# Altium PCB microclick-pcb.PcbDoc
Units mm, origin at the board's own origin, x right, y up, seen from the top; angles counter-clockwise.
Board outline 127.76 x 81.53 mm, 2 copper layers (Top Layer, Bottom Layer); 83 components, 67 nets, 350 pads, 95 vias.
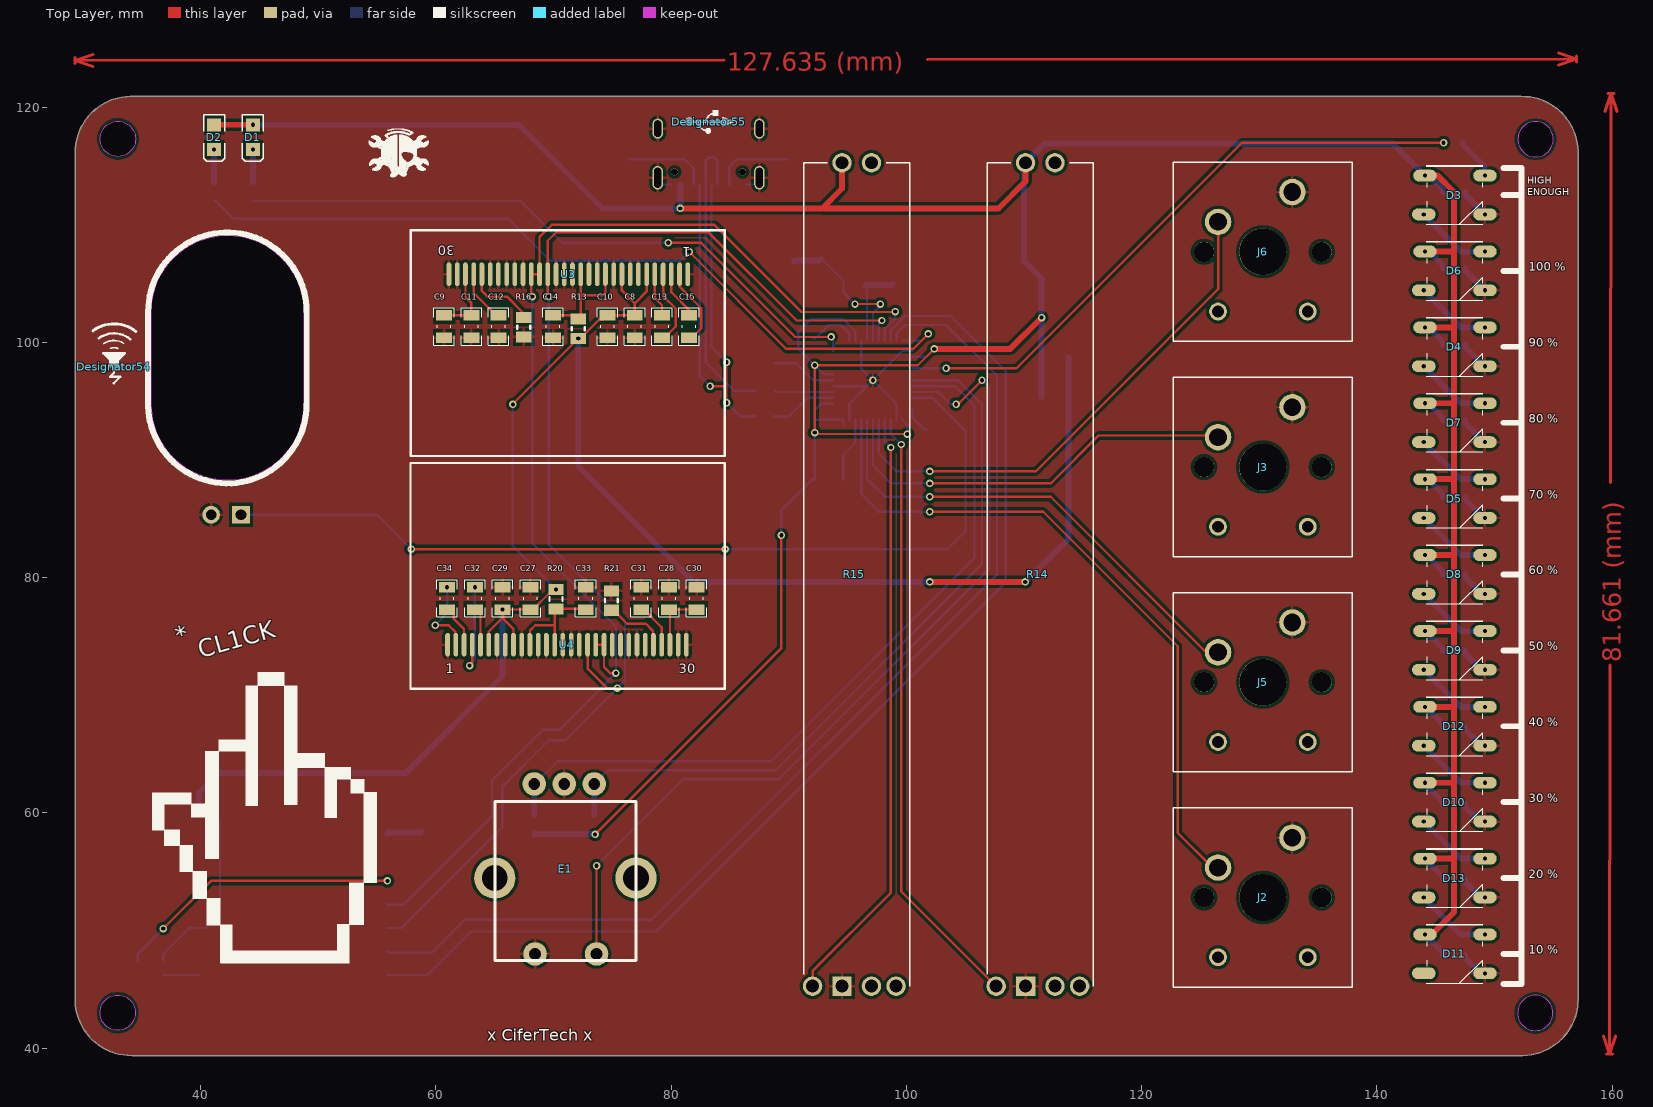
[diagram p0: Top Layer view]
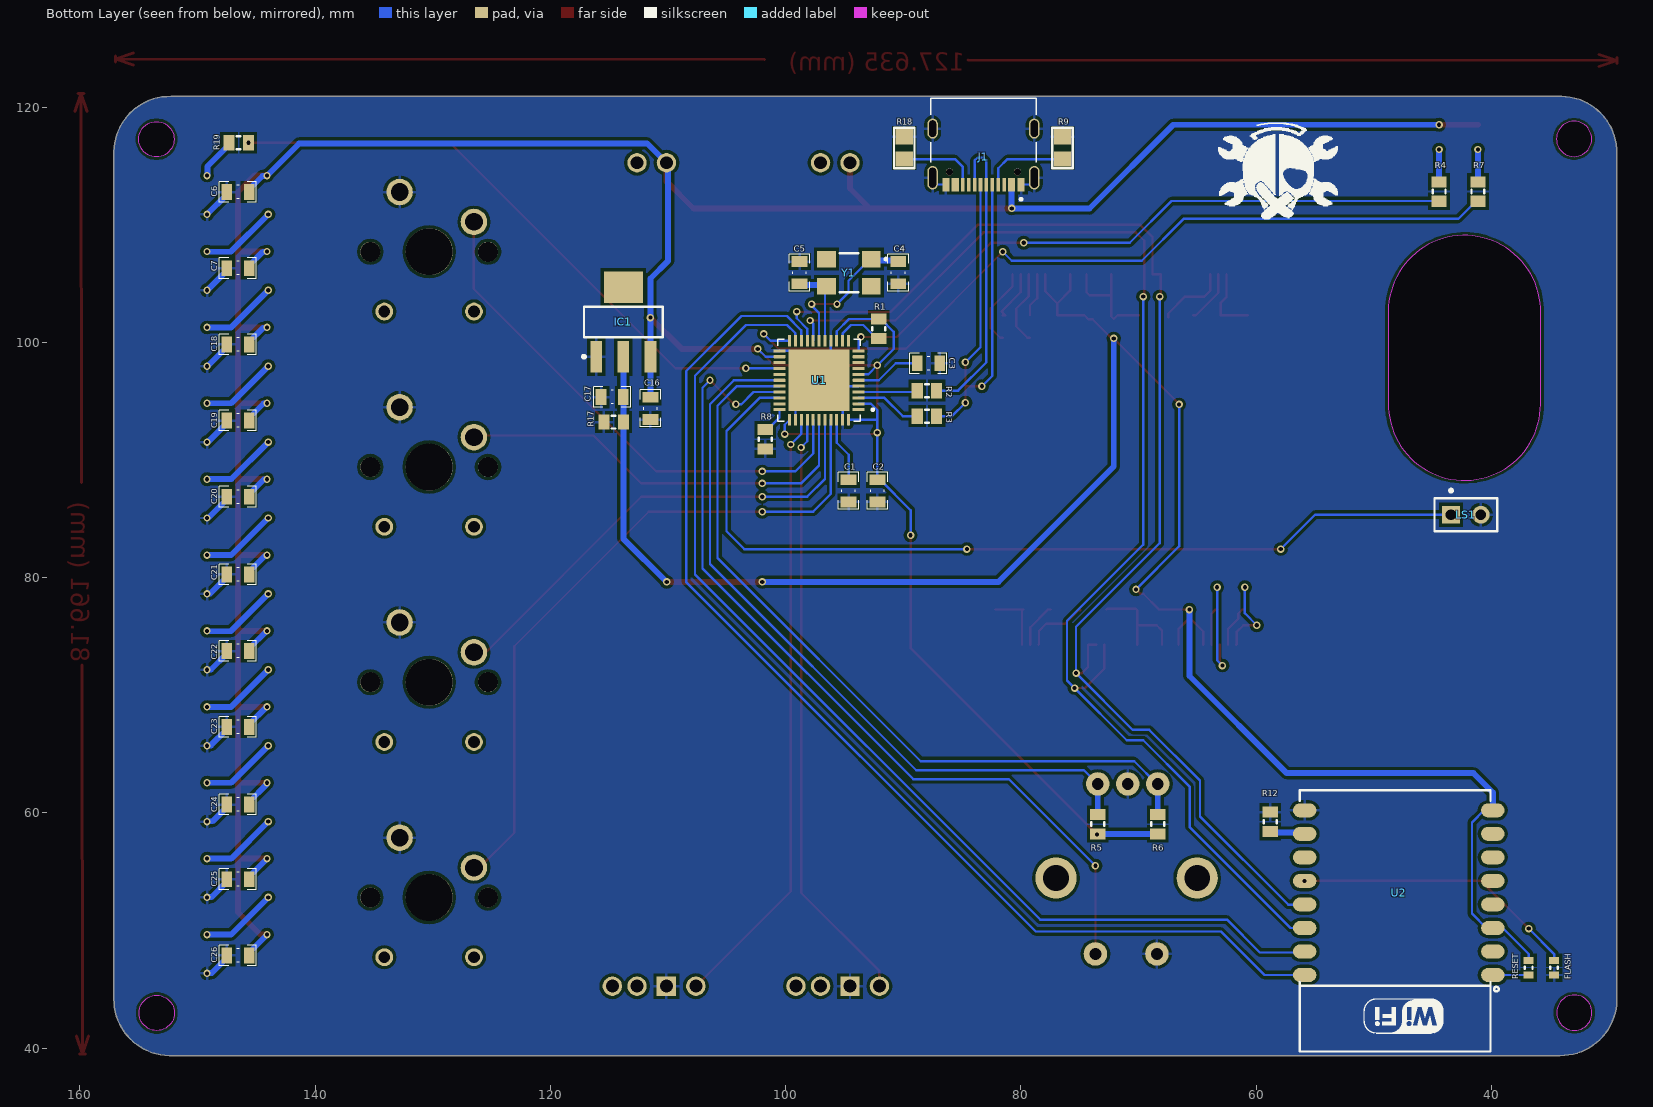
[diagram p1: Bottom Layer view, seen from below]
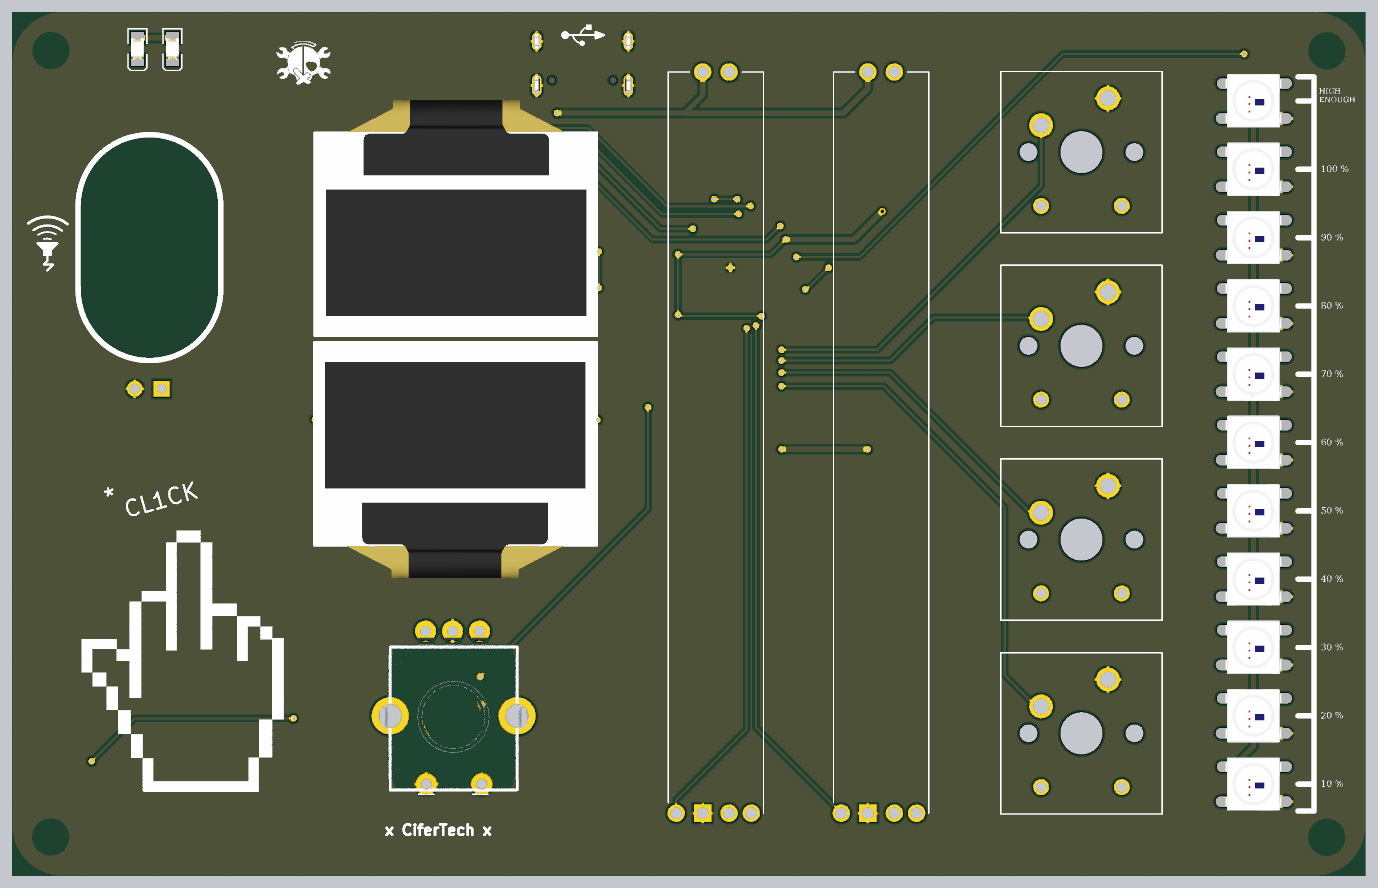
[diagram p2: 3D render of the assembled board from above, using the file's embedded part models]
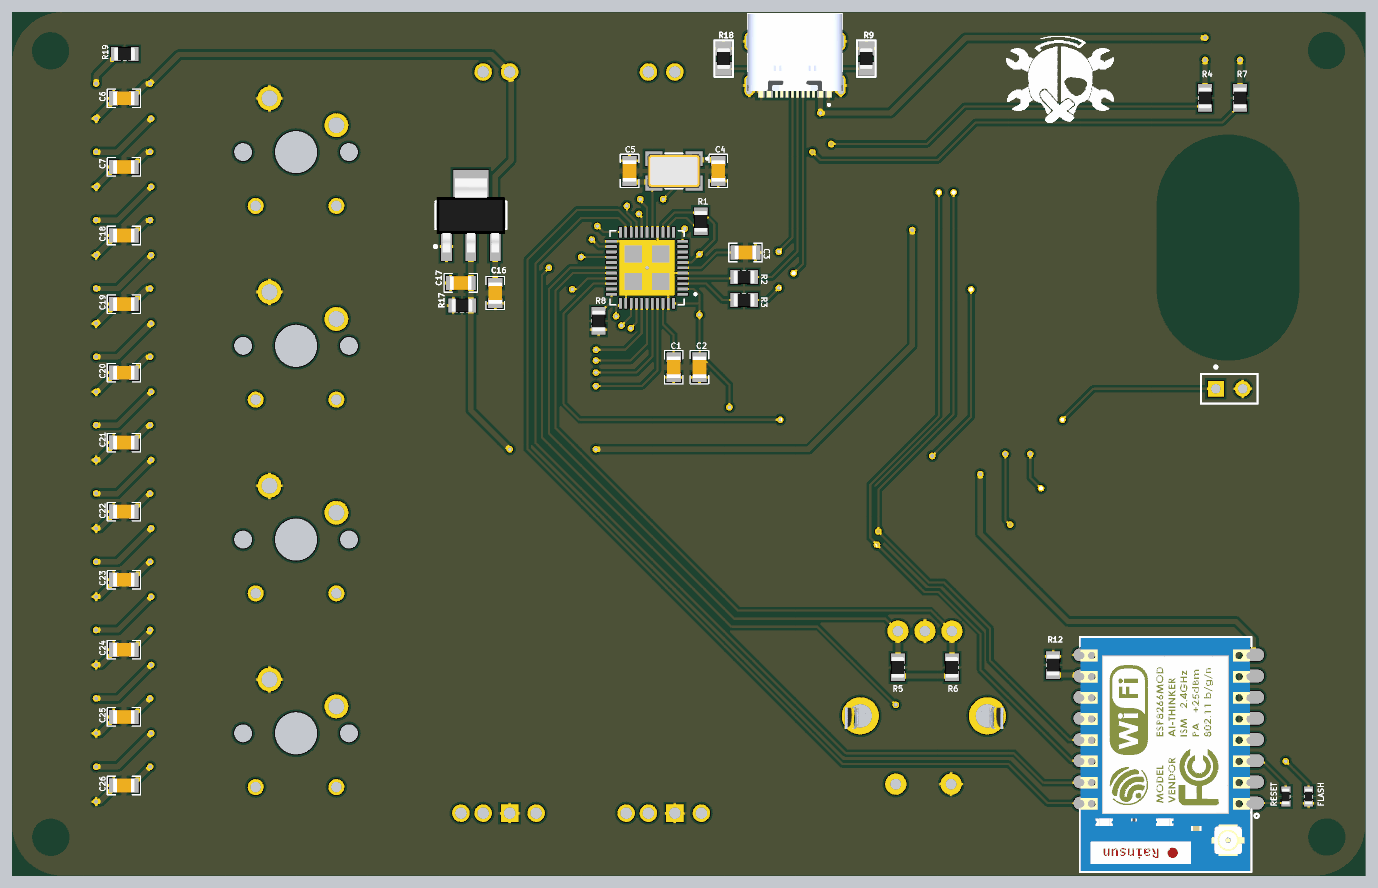
[diagram p3: 3D render of the assembled board from below, using the file's embedded part models]

## Layer stack, top to bottom
Top Solder: solder mask 0.0102, Solder Resist, Dk 3.5
Top Layer: signal copper 0.0356
Dielectric 1: dielectric 0.32, FR-4, Dk 4.8
Bottom Layer: signal copper 0.0356
Bottom Solder: solder mask 0.0102, Solder Resist, Dk 3.5

## Board outline
29.337,44.069 29.337,116.078 cw(c34.099,116.141) 34.036,120.904 152.273,120.904 cw(c152.337,116.141) 157.099,116.205 157.099,44.323 157.099,44.196 cw(c152.337,44.133) 152.4,39.37 34.163,39.37 cw(c34.099,44.133)
cut-out: 35.814,94.744 35.814,102.491 35.815,102.491 cw(c42.291,102.616) 48.768,102.616 48.768,94.869 cw(c42.292,94.744)
cut-out: 151.959,42.986 ccw(c153.459,42.986) 153.459,41.486 ccw(c153.459,42.986) 154.959,42.986 ccw(c153.459,42.986) 153.459,44.486 ccw(c153.459,42.986)
cut-out: 151.983,117.263 ccw(c153.483,117.263) 153.483,115.763 ccw(c153.483,117.263) 154.983,117.263 ccw(c153.483,117.263) 153.483,118.763 ccw(c153.483,117.263)
cut-out: 32.978,115.788 cw(c32.978,117.288) 31.478,117.288 cw(c32.978,117.288) 32.978,118.788 cw(c32.978,117.288) 34.478,117.288 cw(c32.978,117.288)
cut-out: 32.953,41.511 cw(c32.953,43.011) 31.453,43.011 cw(c32.953,43.011) 32.953,44.511 cw(c32.953,43.011) 34.453,43.011 cw(c32.953,43.011)
cut-out: 35.814,94.744 35.814,102.491 35.815,102.491 cw(c42.291,102.616) 48.768,102.616 48.768,94.869 cw(c42.292,94.744)

## Design rules (kind name [scope] priority, off if disabled: settings)
Clearance [All] p1: gap=0.254 ignorepadtopadclearanceinfootprint=FALSE except(0: Arc-Hole Track-Hole SMDPad-Hole THPad-Hole Via-Hole Fill-Hole Poly-Hole Region-Hole Text-Hole)
PolygonConnect [All] p1: connectstyle=Relief reliefconductorwidth=0.254 reliefentries=4 polygonreliefangle="90 Angle" airgapwidth=0.254
RoutingVias [All] p1: holewidth=0.711 width=1.27 viastyle="Through Hole" minholewidth=0.711 minwidth=1.27 maxholewidth=0.711 maxwidth=1.27
SolderMaskExpansion [All] p1: expansion=0.102
Width [All] p1: maxlimit=1 minlimit=0.2 preferedwidth=0.5 minimp=50.000000 maximp=50.000000 favimp=50.000000
30 further rules are at their usual default settings.

## Components (designator, comment, footprint, x,y, rotation, side; value= is the part's Value field where it differs from the comment)
C1 "100nf" CAP0805 94.639,87.376 r90 bottom
C2 "1uf" CAP0805 92.202,87.376 r270 bottom
C3 "1uf" CAP0805 87.859,98.216 r0 bottom
C4 "22pf" CAP0805 90.424,105.918 r90 bottom
C5 "22pf" CAP0805 98.806,105.918 r270 bottom
C6 "100nf" CAP0805 146.558,112.776 r0 bottom
C7 "100nf" CAP0805 146.558,106.299 r0 bottom
C8 "10uf" CAP0805 76.906,101.346 r270 top
C9 "10uf" CAP0805 60.706,101.346 r90 top
C10 "100nf" CAP0805 74.591,101.346 r270 top
C11 "100nf" CAP0805 63.02,101.346 r90 top
C12 "2.2uf" CAP0805 65.334,101.346 r270 top
C13 "1uf" CAP0805 79.22,101.346 r90 top
C14 "2.2uf" CAP0805 69.963,101.346 r270 top
C15 "1uf" CAP0805 81.534,101.346 r90 top
C16 "10uf" CAP0805 111.492,94.387 r90 bottom
C17 "10uf" CAP0805 114.742,95.337 r180 bottom
C18 "100nf" CAP0805 146.558,99.822 r0 bottom
C19 "100nf" CAP0805 146.558,93.345 r0 bottom
C20 "100nf" CAP0805 146.558,86.868 r0 bottom
C21 "100nf" CAP0805 146.558,80.264 r0 bottom
C22 "100nf" CAP0805 146.558,73.745 r0 bottom
C23 "100nf" CAP0805 146.558,67.31 r0 bottom
C24 "100nf" CAP0805 146.558,60.706 r0 bottom
C25 "100nf" CAP0805 146.558,54.356 r0 bottom
C26 "100nf" CAP0805 146.558,47.879 r0 bottom
C27 "10uf" CAP0805 68.03,78.232 r90 top
C28 "10uf" CAP0805 79.812,78.232 r270 top
C29 "100nf" CAP0805 65.673,78.232 r90 top
C30 "100nf" CAP0805 82.169,78.232 r270 top
C31 "2.2uf" CAP0805 77.456,78.232 r90 top
C32 "1uf" CAP0805 63.317,78.232 r270 top
C33 "2.2uf" CAP0805 72.743,78.232 r90 top
C34 "1uf" CAP0805 60.96,78.232 r270 top
D1 "LED" LED_0805 44.45,117.441 r270 top
D2 "LED" LED_0805 41.148,117.441 r270 top
D3 "LED RGB WS2812" "LED 5050 WS2812B" 146.585,112.522 r0 top
D4 "LED RGB WS2812" "LED 5050 WS2812B" 146.585,99.619 r0 top
D5 "LED RGB WS2812" "LED 5050 WS2812B" 146.585,86.716 r0 top
D6 "LED RGB WS2812" "LED 5050 WS2812B" 146.585,106.07 r0 top
D7 "LED RGB WS2812" "LED 5050 WS2812B" 146.585,93.167 r0 top
D8 "LED RGB WS2812" "LED 5050 WS2812B" 146.585,80.264 r0 top
D9 "LED RGB WS2812" "LED 5050 WS2812B" 146.585,73.812 r0 top
D10 "LED RGB WS2812" "LED 5050 WS2812B" 146.585,60.909 r0 top
D11 "LED RGB WS2812" "LED 5050 WS2812B" 146.585,48.006 r0 top
D12 "LED RGB WS2812" "LED 5050 WS2812B" 146.585,67.361 r0 top
D13 "LED RGB WS2812" "LED 5050 WS2812B" 146.585,54.458 r0 top
Designator54 "Comment" "LOGO SPEAKER" 32.639,97.917 r90 top
Designator55 "Comment" "LOGO USB1" 83.185,118.745 r0 top
E1 "Rotary Encoder" "ROTARY ENCODER 14*12" 65.01,60.956 r270 top locked
FLASH "0" "RES 0603 (1608X06L)" 34.671,46.216 r90 bottom (schematic designator R10)
IC1 "LM1117" MP04A_M 113.792,101.727 r90 bottom
J1 "TYPE-C-31-M-12" HRO_TYPE-C-31-M-12 83.181,118.161 r0 bottom
J2 "MX1A-11NN" CHERRY_MX1A-11NN_SWITCH 130.302,52.808 r0 top locked
J3 "MX1A-11NN" CHERRY_MX1A-11NN_SWITCH 130.302,89.4 r0 top
J5 "MX1A-11NN" CHERRY_MX1A-11NN_SWITCH 130.302,71.104 r0 top
J6 "MX1A-11NN" CHERRY_MX1A-11NN_SWITCH 130.302,107.696 r0 top
LS1 "Speaker" PIN2 43.434,85.344 r180 bottom
R1 "10k" "RES 0805 (2012X06L)" 92.075,101.98 r270 bottom
R2 "22" "RES 0805 (2012X06L)" 88.809,95.893 r180 bottom
R3 "22" "RES 0805 (2012X06L)" 88.809,93.726 r180 bottom
R4 "330" "RES 0805 (2012X06L)" 44.45,113.64 r270 bottom
R5 "330" "RES 0805 (2012X06L)" 73.46,58.216 r90 bottom
R6 "330" "RES 0805 (2012X06L)" 68.36,58.216 r90 bottom
R7 "330" "RES 0805 (2012X06L)" 41.148,111.99 r90 bottom
R8 "330" "RES 0805 (2012X06L)" 101.727,92.582 r270 bottom
R9 "5.1k" "RES 0805" 76.454,115.575 r180 bottom
R12 "1k" "RES 0805 (2012X06L)" 58.801,60.07 r270 bottom
R13 "10k" "RES 0805 (2012X06L)" 72.104,101.981 r270 top
R14 "DIP-VR-TOP-ADJ-20K(6P-75X9X6.5MM)" ADJR6-75X9X7MM 111.379,80.264 r90 top locked
R15 "DIP-VR-TOP-ADJ-20K(6P-75X9X6.5MM)" ADJR6-75X9X7MM 95.776,80.264 r90 top locked
R16 "390k" "RES 0805 (2012X06L)" 67.475,102.108 r270 top
R17 "330" "RES 0805 (2012X06L)" 115.442,93.218 r180 bottom
R18 "5.1k" "RES 0805" 89.916,115.575 r180 bottom
R19 "1k" "RES 0805 (2012X06L)" 147.319,116.967 r180 bottom
R20 "10k" "RES 0805 (2012X06L)" 70.213,77.343 r90 top
R21 "390k" "RES 0805 (2012X06L)" 74.926,77.217 r90 top
RESET "0" "RES 0603 (1608X06L)" 36.83,47.46 r270 bottom (schematic designator R11)
U1 "ATMEGA32U4-MU" QFN50P700X700X100-45N 97.155,96.774 r0 bottom
U2 "ESP-07" ESP8266_ESP07 47.879,51.816 r0 bottom
U3 "OLED_0.96IN_WHITE" OLED_0.96IN_WHITE_SSD1306 71.266,105.791 r180 top locked
U4 "OLED_0.96IN_WHITE" OLED_0.96IN_WHITE_SSD1306 71.148,74.295 r0 top locked
Y1 "16MHz" WE-XTAL_CFPX-104 94.615,105.918 r0 bottom

## Footprints (in the part's own frame and the unit in brackets; to place one, negate y for a bottom-side part, rotate by r counter-clockwise, add the part's x,y. Pads: shape width x height; smd on the part's side, far side on the other; paste and mask are expansions set on the pad)
ADJR6-75X9X7MM [mm]
  rect 1.65x1.65 hole 1.1: 1(-35,1.25)
  round 1.65 hole 1.1: 2(-35,3.75) 3(35,1.25) B(35,-1.25) E(-35,-3.35) L(-35,-1.25)
  silkscreen extent -35,-4.5 35,4.5
CAP0805 [mm] "Chip Capacitor, 2-Leads, Body 2/00x1/25mm, IPC Medium Density DESIGNER:ABBAS BASEREH"
  rect 0.9x1.35 smd: 1(-0.95,0) 2(0.95,0)
  silkscreen extent -1.58,-0.87 1.58,0.87, body extent -1.02,-0.65 1.03,0.65, height 0.5
CHERRY_MX1A-11NN_SWITCH [mm]
  round 1.508 hole 1: BR1(-3.81,-5.08) BR2(3.81,-5.08)
  round 2.25 hole 1.5: P$1(2.51,5.08) P$2(-3.81,2.54)
  round 1.7 hole 1.7 unplated: ""(-5,0) ""(5,0)
  round 3.988 hole 3.988 unplated: ""(0,0)
  silkscreen extent -7.62,-7.62 7.62,7.62
ESP8266_ESP07 [mm] "ESP8266 ESP-07"
  oval 2x1.2 smd: 1(-8,5.6) 2(-8,3.6) 3(-8,1.6) 4(-8,-0.4) 5(-8,-2.4) 6(-8,-4.4) 7(-8,-6.4) 8(-8,-8.4) 9(8,-8.4) 10(8,-6.4) 11(8,-4.4) 12(8,-2.4) 13(8,-0.4) 14(8,1.6) 15(8,3.6) 16(8,5.6)
  silkscreen extent -8.5,-10.1 8.4,12.1, body extent -7.68,-9.99 8.32,12.01, height 3.5
HRO_TYPE-C-31-M-12 [mm]
  rect 0.6x1.14 smd mask+0.05: A1_B12(-3.2,4.75) A4_B9(-2.4,4.75) B1_A12(3.2,4.75) B4_A9(2.4,4.75)
  rect 0.3x1.14 smd mask+0.05: A5(-1.25,4.75) A6(-0.25,4.75) A7(0.25,4.75) A8(1.25,4.75) B5(1.75,4.75) B6(0.75,4.75) B7(-0.75,4.75) B8(-1.75,4.75)
  oval 0.9x2 hole 0.6 slot 1.7 at 90 deg: S1(-4.325,4.17) S2(4.325,4.17)
  oval 0.9x1.7 hole 0.6 slot 1.4 at 90 deg: S3(-4.325,0) S4(4.325,0)
  round 0.6 hole 0.6 unplated: ""(-2.89,3.68) ""(2.89,3.68)
  silkscreen extent -4.47,-2.6 4.47,6.1, body extent -4.47,-2.6 4.47,5.3, height 3.31
"LED 5050 WS2812B" [mm]
  oval 2x1 smd: 1(-2.5,1.65) 2(-2.6,-1.65) 3(2.6,-1.65) 4(2.6,1.65)
  silkscreen extent -2.41,-2.49 2.4,2.51, body extent -2.74,-2.49 2.66,2.51, height 1.6
LED_0805 [mm] "Chip LED, 2-Leads, Body 2.0x1.3mm, IPC Medium Density"
  rect 1.1x1.2 smd: A(-1.05,0) K(1.05,0)
  silkscreen extent -1.91,-0.89 2.03,0.89, body extent -1,-0.63 1,0.62, height 0.68
"LOGO SPEAKER" [mm]
  silkscreen extent -1.4,-1.89 3.66,1.81
"LOGO USB1" [mm] "General USB Logo"
  silkscreen extent -1.82,-0.89 2.01,0.99
MP04A_M [mm] "SOT223, 4-Leads, Body 6.5x3.5mm, Pitch 2.3mm, Lead Span 7mm, IPC Low Density"
  rect 2.7x1 smd: 1(-2.95,2.3) 2(-2.95,0) 3(-2.95,-2.3)
  rect 2.7x3.3 smd: 4(2.95,0)
  silkscreen extent -3.07,-3.35 1.3,3.48, body extent -3.49,-3.24 3.49,3.24, height 1.64
OLED_0.96IN_WHITE_SSD1306 [mm] "OLED, 0.96IN, Monochrome white, SSD1306"
  oval 0.4x2 smd: 1(-10.15,0) 2(-9.45,0) 3(-8.75,0) 4(-8.05,0) 5(-7.35,0) 6(-6.65,0) 7(-5.95,0) 8(-5.25,0) 9(-4.55,0) 10(-3.85,0) 11(-3.15,0) 12(-2.45,0) 13(-1.75,0) 14(-1.05,0) 15(-0.35,0) 16(0.35,0) 17(1.05,0) 18(1.75,0) 19(2.45,0) 20(3.15,0) 21(3.85,0) 22(4.55,0) 23(5.25,0) 24(5.95,0) 25(6.65,0) 26(7.35,0) 27(8.05,0) 28(8.75,0) 29(9.45,0) 30(10.15,0)
  silkscreen extent -13.3,-3.75 13.4,15.45, body extent -13.35,-6.82 13.35,15.4, height 3.82
PIN2 [mm] "Photosensitive Diode; 2 Leads"
  rect 1.5x1.5 hole 0.9: 1(0,0)
  round 1.5 hole 0.9: 2(2.54,0)
  silkscreen extent -1.4,-1.4 3.94,2.17
QFN50P700X700X100-45N [mm]
  rrect25% 1.01x0.26 smd: 1(-3.36,2.5) 2(-3.36,2) 3(-3.36,1.5) 4(-3.36,1) 5(-3.36,0.5) 6(-3.36,0) 7(-3.36,-0.5) 8(-3.36,-1) 9(-3.36,-1.5) 10(-3.36,-2) 11(-3.36,-2.5) 23(3.36,-2.5) 24(3.36,-2) 25(3.36,-1.5) 26(3.36,-1) 27(3.36,-0.5) 28(3.36,0) 29(3.36,0.5) 30(3.36,1) 31(3.36,1.5) 32(3.36,2) 33(3.36,2.5)
  rrect25% 0.26x1.01 smd: 12(-2.5,-3.36) 13(-2,-3.36) 14(-1.5,-3.36) 15(-1,-3.36) 16(-0.5,-3.36) 17(0,-3.36) 18(0.5,-3.36) 19(1,-3.36) 20(1.5,-3.36) 21(2,-3.36) 22(2.5,-3.36) 34(2.5,3.36) 35(2,3.36) 36(1.5,3.36) 37(1,3.36) 38(0.5,3.36) 39(0,3.36) 40(-0.5,3.36) 41(-1,3.36) 42(-1.5,3.36) 43(-2,3.36) 44(-2.5,3.36)
  rect 5.2x5.2 smd paste-4: 45(0,0)
  silkscreen extent -4.67,-3.5 3.5,3.5
"RES 0603 (1608X06L)" [mm] "Chip Resistor, 2-Leads, Body 1.6x0.8mm, IPC High Density _ (0.063W)"
  rect 0.6x0.85 smd: 1(0,0) 2(1.244,0)
  silkscreen extent 0.52,-0.33 0.72,0.33, body extent -0.14,-0.38 1.38,0.38, height 0.45
"RES 0805" [mm] "RES 0805"
  rect 1.5x1.3 smd: 1(0,0) 2(0,1.9)
  silkscreen extent -0.87,-0.77 0.87,2.68, body extent -0.63,-0.07 0.64,1.97, height 0.6
"RES 0805 (2012X06L)" [mm] "Chip Resistor, 2-Leads, Body 2.0x1.3mm, IPC High Density _ (0.100 W)"
  rect 0.95x1.3 smd: 1(0,0) 2(1.65,0)
  silkscreen extent 0.67,-0.55 0.97,0.55, body extent -0.19,-0.63 1.84,0.64, height 0.6
"ROTARY ENCODER 14*12" [mm] "ROTARY ENCODER"
  round 2 hole 1: 1(-1.5,8.45) 2(-1.5,5.9) 3(-1.5,3.35) 4(12.95,3.425) 5(12.95,8.65)
  round 3.5 hole 2.2: 6(6.5,12) 7(6.5,0)
  silkscreen extent 0,0 13.5,12, body extent -0.9,-1.53 14.1,13.48, height 16.2
WE-XTAL_CFPX-104 [mm] "Quartz Crystal, size CFPX-104, body 5x3.2mm"
  rect 1.6x1.4 smd: 1(-1.9,-1.15) 2(1.9,-1.15) 3(1.9,1.15) 4(-1.9,1.15)
  silkscreen extent -3.24,-1.65 0.8,1.65, body extent -2.5,-1.6 2.5,1.6, height 0.95

## Part data
C1 C2 C3 C4 C5 C6 C7 C8 C9 C10 C11 C12 C13 C14 C15 C16 C17 C18 C19 C20 C21 C22 C23 C24 C25 C26 C27 C28 C29 C30 C31 C32 C33 C34: library part "CAP SMD", "Capacitor"
D3 D4 D5 D6 D7 D8 D9 D10 D11 D12 D13: "LED"
FLASH R1 R2 R3 R4 R5 R6 R7 R8 R9 R12 R13 R16 R17 R18 R19 R20 R21 RESET: library part RES, "RESISTOR"
IC1: library part LM1117IMP-x.x, "x.x Volt, 800mA Low-Dropout Linear Regulator, 4-pin SOT-223", Manufacturer="National Semiconductor", PackageTopMarking=XYTT*N05B, PartNumber=LM1117IMP-3.3, PowerWise=N, Supplier Part Number 1=7614123, Code_IPC=SOT223-4, Code_JEDEC=TO-261-AA, ComponentLink1Description="LM1117 Datasheet", ComponentLink1URL=http://www.national.com/ds/LM/LM1117.pdf, ComponentLink2Description="LM1117 Web Page", ComponentLink2URL=http://www.national.com/pf/LM/LM1117.html, ComponentLink3Description="MP04A Package Page", ComponentLink3URL=http://www.national.com/packaging/folders/mp04a.html, CompType="LDO IC", DatasheetVersion=Apr-2006, PackageDescription="Molded SOT-223, 6.50 x 3.56 x 1.6mm Body, 4 Lead, 2.3mm Pitch", PackageReference=MP04A, PackageVersion="revB, Apr-2003", PinCount=4, Published=4-Dec-2008, Publisher="Altium Limited", RoHS=N, Supplier 1=Farnell
J1: "USB Connectors 24 Receptacle 1 8.94*7.3mm RoHS", Package=Package, Availability="Not in stock", Check_prices=https://www.snapeda.com/parts/TYPE-C-31-M-12/HRO+Electronics+Co.%252C+Ltd./view-part/?ref=eda, MF="HRO Electronics Co., Ltd.", MP=TYPE-C-31-M-12, Price=None, SnapEDA_Link=https://www.snapeda.com/parts/TYPE-C-31-M-12/HRO+Electronics+Co.%252C+Ltd./view-part/?ref=snap
J2 J3 J5 J6: "Pushbutton Switch SPST-NO Keyswitch Panel Mount, Front", Package=None, Availability="In Stock", Check_prices=https://www.snapeda.com/parts/MX1A-11NN/Cherry/view-part/?ref=eda, MF=Cherry, MP=MX1A-11NN, Price=None, Purchase-URL=https://pricing.snapeda.com/search/part/MX1A-11NN/?ref=eda, SnapEDA_Link=https://www.snapeda.com/parts/MX1A-11NN/Cherry/view-part/?ref=snap
LS1: "Loudspeaker", LatestRevisionDate=17-Jul-2002, LatestRevisionNote="Re-released for DXP Platform.", PackageReference=PIN2, Published=24-Mar-1999, Publisher="Altium Limited"
R14 R15: "20 kOhms 0.2W, 1/5W Through Hole Slide Potentiometer Top Adjustment Type", Package="1206 Bourns - J.W. Miller", Availability=Warning, MF="Bourns - J.W. Miller", MP=PTL60-10O0-203B2, Price=None, Purchase-URL=https://pricing.snapeda.com/search/part/PTL60-10O0-203B2/?ref=eda, SnapEDA_Link=https://www.snapeda.com/parts/PTL60-10O0-203B2/Bourns%20-%20J.W.%20Miller/view-part/106140/?ref=snap
U1: "8-bit Microcontrollers - MCU AVR USB 32K FLASH INDUSTRIA", Package=None, Availability=Unavailable, MP=ATMEGA32U4-MU, Price=None
U2: library part ESP8266_ESP-07, "ESP8266 ESP-07 WiFi Module", =http://www.chila.ir, MANF_P#=ESP-07
U3 U4: library part OLED_0.96IN_WHITE_SSD1306, "OLED, 0.96\", Monochrome white, SSD1306", =https://makatronicteam.com, DESIGN BY=A-SHAMSAEI, PARAM="white color, 0.96\", 128X64", PARAM2="3.3~5VIN, -20~+70°C"
Y1: library part 830030819, "WE-XTAL Quartz Crystal, SMT, CFPX-104, 16MHz, +/-50ppm", Frequency Stability=+/-50ppm, Load Capacitance=18pF, Manufacturer="Wurth Elektronik", Operating Temperature="-10 to +60degC", ComponentLink1Description=Manufacturer, ComponentLink1URL=http://www.we-online.de, ComponentLink2Description=Datasheet, ComponentLink2URL=https://katalog.we-online.com/pbs/datasheet/830030819.pdf, Frequency=16MHz, Frequency Tolerance=+/-50ppm, Manufacturer Part Number=830030819, Mounting Technology=SMT, Packaging="Tape and Reel", Published Date="July 2020", Size=CFPX-104

## Via types
v1: diameter 0.635, hole 0.356, Top Layer to Bottom Layer, 95 vias

## Nets (pads, with @x,y where several pads share a name; then routed paths per layer and width w, separated by ;. In a path a pad name is that pad's centre, name@x,y a point inside that pad or via, vN(x,y) a via of type N, cw(c..) or ccw(c..) an arc to the next point about the centre after c; other vN are vias at no path point)
1: D4.4 D6.2 | length 6.5
  Bottom Layer w0.5: v1(143.985,104.42) 147.137,101.269 v1(149.185,101.269)
2: D5.4 D7.2 | length 6.5
  Bottom Layer w0.5: v1(143.985,91.517) 147.11,88.392 147.193,88.392 147.219,88.366 v1(149.185,88.366)
3: D8.2 D9.4 | length 6.5
  Bottom Layer w0.5: v1(143.985,78.614) 147.161,75.438 149.161,75.438 v1(149.185,75.462)
3v3: C8.1 C10.1 C17.2 C27.1 C29.1 IC1.2 R13.2 R17.2 R20.2 RESET.1 U2.3 U2.8 U3.6 U3.9 U4.6 U4.9 | length 176.5
  Top Layer w0.2: U4.6 64.498,75.42 65.659,76.581 65.673,76.567 ; v1(66.548,94.724) 66.548,94.775 v1(72.104,100.331) 72.279,100.331 73.894,101.946 74.241,101.946 C10.1 C8.1 76.906,103.307 ; U4.9 66.598,75.642 65.673,76.567 ; v1(70.213,78.993) 69.838,78.618 69.591,78.618 68.255,77.282 C27.1 v1(65.673,77.282) 65.673,76.567 ; U3.9 75.816,104.397 76.906,103.307 ; U3.6 77.916,104.318 76.906,103.307
  Top Layer w0.5: v1(101.981,79.629) v1(110.109,79.629)
  Bottom Layer w0.2: RESET.1 36.83,48.006 39.04,50.216 U2.3 40.437,50.216 41.656,51.435 41.656,59.182 40.622,60.216 U2.8 ; v1(66.548,94.724) 66.548,82.658 v1(70.213,78.993)
  Bottom Layer w0.5: U2.8 39.879,61.723 41.529,63.373 57.404,63.373 65.673,71.642 v1(65.673,77.282) ; v1(72.104,100.331) 72.104,89.44 81.915,79.629 v1(101.981,79.629) ; v1(110.109,79.629) 113.792,83.312 R17.2 C17.2 IC1.2
4: D10.4 D12.2 | length 6.5
  Bottom Layer w0.5: v1(143.985,65.711) 147.137,62.559 v1(149.185,62.559)
5: D11.4 D13.2 | length 6.5
  Bottom Layer w0.5: v1(143.985,52.808) 147.136,49.657 v1(149.185,49.656) v1(149.185,49.656)
5v: C2.1 C6.1 C7.1 C16.2 C18.1 C19.1 C20.1 C21.1 C22.1 C23.1 C24.1 C25.1 C26.1 D1.A D2.A D3.1 D4.1 D5.1 D6.1 D7.1 D8.1 D9.1 D10.1 D11.1 D12.1 D13.1 IC1.3 J1.A4_B9 R1.1 R5.1 R6.1 R14.3 R15.3 U1.2 U1.7 U1.14 U1.24 U1.34 U1.44 | length 356.8
  Top Layer w0.2: v1(73.533,58.166) 89.376,74.009 v1(89.376,83.598) ; v1(100.076,92.202) 92.329,92.202 v1(92.202,92.329) v1(92.202,98.044) 100.965,98.044 v1(102.362,99.441)
  Top Layer w0.5: D2.A v1(44.45,118.491) ; v1(80.781,111.388) 92.828,111.388 92.837,111.379 ; R15.3 94.526,113.068 92.837,111.379 ; v1(102.362,99.441) 108.832,99.441 v1(111.492,102.101) ; R14.3 110.129,113.685 107.823,111.379 92.837,111.379 ; v1(144.085,49.656) 144.652,49.656 146.558,51.562 146.558,56.134 ; v1(144.085,56.108) 146.532,56.108 146.558,56.134 ; v1(144.085,62.559) 146.483,62.559 146.558,62.484 ; v1(144.085,69.011) 146.481,69.011 146.558,69.088 ; v1(144.085,75.462) 146.534,75.462 146.558,75.438 ; v1(144.085,81.914) 146.557,81.914 146.558,81.915 ; v1(144.085,88.366) 146.532,88.366 146.558,88.392 ; v1(144.085,94.817) 146.506,94.817 146.558,94.869 ; v1(144.085,101.269) 146.481,101.269 146.558,101.346 ; v1(144.085,107.72) 146.534,107.72 146.558,107.696 ; v1(144.085,114.172) 145.162,114.172 146.558,112.776 146.558,107.696 ; 146.558,56.134 146.558,62.484 ; 146.558,62.484 146.558,69.088 ; 146.558,69.088 146.558,75.438 ; 146.558,75.438 146.558,81.915 ; 146.558,81.915 146.558,88.392 ; 146.558,88.392 146.558,94.869 ; 146.558,94.869 146.558,101.346 ; 146.558,101.346 146.558,107.696
  Bottom Layer w0.2: v1@89.408,83.566 v1(89.376,83.598) 89.376,85.725 91.977,88.326 C2.1 v1(92.202,92.329) 92.202,93.345 ; U1.2 92.742,94.774 92.202,94.234 92.202,93.345 ; U1.7 92.972,97.274 v1(92.202,98.044) 92.192,98.044 90.805,99.431 90.805,100.885 91.9,101.98 R1.1 94.616,101.98 95.655,100.941 U1.14 ; U1.44@94.655,93.039 U1.44 92.271,93.414 92.202,93.345 ; U1.34 100.076,92.993 v1(100.076,92.202) ; U1.24 101.695,98.774 v1(102.362,99.441)
  Bottom Layer w0.5: v1(44.45,118.491) 67.056,118.491 74.168,111.379 74.177,111.388 v1(80.781,111.388) J1.A4_B9 ; R6.1 R5.1 ; C16.2 IC1.3 v1(111.492,102.101) 111.492,105.424 109.982,106.934 109.982,115.117 R14.3 111.771,116.906 141.351,116.906 v1(144.085,114.172) 144.111,114.146 144.463,114.146 145.608,113.001 C6.1 ; v1(144.085,49.656) 144.085,49.627 145.608,48.104 C26.1 ; v1(144.085,56.108) 144.085,56.104 145.608,54.581 C25.1 ; v1(144.085,62.559) 144.111,62.533 144.111,62.428 145.608,60.931 C24.1 ; v1(144.085,69.011) 144.111,68.985 144.158,68.985 145.608,67.535 C23.1 ; v1(144.085,75.462) 144.115,75.462 145.608,73.97 C22.1 ; v1(144.085,81.914) 144.111,81.888 144.209,81.888 145.608,80.489 C21.1 ; v1(144.085,88.366) 144.111,88.34 144.361,88.34 145.608,87.093 C20.1 ; v1(144.085,94.817) 144.111,94.791 144.387,94.791 145.608,93.57 C19.1 ; v1(144.085,101.269) 144.111,101.243 144.412,101.243 145.608,100.047 C18.1 ; v1(144.085,107.72) 144.111,107.695 144.437,107.695 145.608,106.524 C7.1
CC1: J1.A5 R9.1 | length 7.2
  Bottom Layer w0.2: R9.1 81.148,115.575 81.931,114.792 J1.A5
CC2: J1.B5 R18.1 | length 6.8
  Bottom Layer w0.2: J1.B5 84.931,114.903 85.603,115.575 R18.1
D4: U1.25
D8: E1.1 R5.2 U1.28 | length 63.6
  Bottom Layer w0.2: E1.1 74.631,63.627 88.9,63.627 106.426,81.153 106.426,94.742 104.394,96.774 U1.28
  Bottom Layer w0.5: R5.2 E1.1
D9: E1.3 R6.2 U1.29 | length 66.9
  Bottom Layer w0.2: E1.3 68.425,62.456 70.358,64.389 88.519,64.389 105.791,81.661 105.791,94.615 104.132,96.274 U1.29
  Bottom Layer w0.5: R6.2 E1.3
D10: E1.5 U1.30 | length 74.8
  Top Layer w0.2: E1.5 v1(73.66,55.499) ; v1(104.219,94.742) 104.394,94.742 v1(106.426,96.774)
  Bottom Layer w0.2: v1(73.66,55.499) 81.026,62.865 89.154,62.865 107.061,80.772 107.061,96.139 v1(106.426,96.774) ; U1.30 102.727,95.774 103.759,94.742 v1(104.219,94.742)
D+: R2.1 U1.4 | length 5
  Bottom Layer w0.2: R2.1 88.928,95.774 U1.4
D+1: J1.A6 J1.B6 R2.2 | length 25.6
  Bottom Layer w0.2: J1.B6 83.931,115.459 83.693,115.697 83.185,115.697 82.931,115.443 J1.A6 82.931,98.298 85.336,95.893 R2.2
D-: R3.1 U1.3 | length 5.6
  Bottom Layer w0.2: R3.1 90.043,93.726 91.591,95.274 U1.3
D-1: J1.A7 J1.B7 R3.2 | length 40.9
  Top Layer w0.2: v1(83.312,96.266) 84.709,96.266 ; v1(84.709,94.869) 84.709,96.266 ; v1(84.709,98.298) 84.709,96.266
  Bottom Layer w0.2: J1.B7 82.431,97.147 v1(83.312,96.266) ; J1.A7 83.431,99.576 v1(84.709,98.298) ; v1(84.709,94.869) 85.852,93.726 R3.2
GND: C1.1 C2.2 C3.1 C4.1 C5.1 C6.2 C7.2 C8.2 C9.1 C10.2 C11.1 C12.2 C14.2 C16.1 C17.1 C18.2 C19.2 C20.2 C21.2 C22.2 C23.2 C24.2 C25.2 C26.2 C27.2 C28.1 C29.2 C30.1 C31.2 C33.2 D3.3 D4.3 D5.3 D6.3 D7.3 D8.3 D9.3 D10.3 D11.3 D12.3 D13.3 E1.2 E1.4 FLASH.1 IC1.1 J1.A1_B12 J1.B1_A12 J1.S1 J1.S2 J1.S3 J1.S4 J2.P$1 J3.P$1 J5.P$1 J6.P$1 LS1.2 R8.2 R9.2 R12.1 R14.1 R15.1 R16.2 R17.1 R18.2 R21.2 U1.5 U1.15 U1.23 U1.35 U1.43 U1.45 U2.9 U3.1 U3.7 U3.8 U3.10 U3.12 U3.13 U3.15 U3.16 U3.17 U3.21 U3.22 U3.23 U3.24 U3.25 U3.29 U3.30 U4.1 U4.7 U4.8 U4.10 U4.12 U4.13 U4.15 U4.16 U4.17 U4.21 U4.22 U4.23 U4.24 U4.25 U4.29 U4.30 | length 50
  Bottom Layer w0.2: J1.S1 78.856,113.734 79.179,113.411 J1.A1_B12 ; J1.B1_A12 87.183,113.411 87.506,113.734 J1.S2 ; U1.5 U1.45@96.655,96.274 ; U1.43 95.155,94.774 U1.45@96.655,96.274 ; U1.15 96.155,97.774 v1(97.155,96.774) ; U1.35 99.155,94.774 v1(97.155,96.774) ; U1.23 99.655,99.274 v1(97.155,96.774) ; U1.45@96.655,96.274 v1(97.155,96.774)
  Bottom Layer w0.5: C26.2 147.508,47.654 148.78,46.382 149.159,46.382 v1(149.185,46.356) ; C25.2 147.508,54.131 148.806,52.833 149.159,52.833 v1(149.185,52.808) ; C24.2 147.508,60.481 148.704,59.285 149.159,59.285 v1(149.185,59.259) ; C23.2 147.508,67.085 148.856,65.737 149.159,65.737 v1(149.185,65.711) ; C22.2 147.508,73.52 148.839,72.188 149.159,72.188 v1(149.185,72.162) ; C21.2 147.508,80.039 148.907,78.64 149.159,78.64 v1(149.185,78.614) ; C20.2 147.508,86.643 149.06,85.091 149.159,85.091 v1(149.185,85.066) ; C19.2 147.508,93.12 149.085,91.543 149.159,91.543 v1(149.185,91.517) ; C18.2 147.508,99.597 149.11,97.995 149.159,97.995 v1(149.185,97.969) ; C7.2 147.508,106.074 149.162,104.42 v1(149.185,104.42) ; C6.2 147.508,112.551 149.185,110.874 v1(149.185,110.872)
key1: J2.P$2 U1.41 | length 59.1
  Top Layer w0.2: v1(101.981,85.598) 111.633,85.598 123.063,74.168 123.063,58.293 126.008,55.348 J2.P$2
  Bottom Layer w0.2: U1.41 96.155,87.106 97.663,85.598 v1(101.981,85.598)
key2: J5.P$2 U1.40 | length 41
  Top Layer w0.2: v1(101.981,86.868) 112.268,86.868 125.492,73.644 J5.P$2
  Bottom Layer w0.2: U1.40 96.655,88.384 98.171,86.868 v1(101.981,86.868)
key3: J3.P$2 U1.39 | length 35.6
  Top Layer w0.2: v1(101.981,88.011) 112.268,88.011 116.332,92.075 126.357,92.075 J3.P$2
  Bottom Layer w0.2: U1.39 97.155,89.535 98.679,88.011 v1(101.981,88.011)
key4: J6.P$2 U1.38 | length 44.5
  Top Layer w0.2: v1(101.981,89.027) 110.998,89.027 126.506,104.535 126.506,110.222 J6.P$2
  Bottom Layer w0.2: U1.38 97.655,90.559 99.187,89.027 v1(101.981,89.027)
key5: R15.2 U1.37 | length 51.1
  Top Layer w0.2: R15.2 92.026,46.56 98.679,53.213 v1(98.679,91.059)
  Bottom Layer w0.2: U1.37 98.155,91.583 v1(98.679,91.059)
key6: R14.2 U1.36 | length 51.9
  Top Layer w0.2: v1(99.568,91.313) 99.568,53.325 R14.2
  Bottom Layer w0.2: U1.36 98.655,92.226 v1(99.568,91.313)
key7: LS1.1 U1.31 | length 77.6
  Top Layer w0.2: v1(57.912,82.423) v1(84.582,82.423)
  Bottom Layer w0.2: LS1.1 54.991,85.344 v1(57.912,82.423) ; v1(84.582,82.423) 103.515,82.423 105.029,83.937 105.029,92.456 102.211,95.274 U1.31
key8: U1.32
key9: R19.2 U1.26 | length 53.1
  Top Layer w0.2: v1(103.378,97.79) 109.347,97.79 128.524,116.967 v1(145.669,116.967)
  Bottom Layer w0.2: U1.26 100.523,97.782 103.37,97.782 v1(103.378,97.79)
key10: U1.27
NetC1_2: C1.2 U1.42 | length 5.5
  Bottom Layer w0.2: C1.2 94.639,90.448 95.655,91.464 U1.42
NetC3_2: C3.2 U1.6 | length 5.6
  Bottom Layer w0.2: C3.2 90.633,98.216 92.075,96.774 U1.6
NetC9_2: C9.2 C11.2 U3.28 | length 6
  Top Layer w0.2: C9.2 C11.2 63.02,103.35 62.516,103.854 U3.28
NetC12_1: C12.1 U3.27 | length 4.5
  Top Layer w0.2: U3.27 63.216,104.189 65.109,102.296 C12.1
NetC13_1: C13.1 U3.4 | length 6.5
  Top Layer w0.2: C13.1 79.445,100.396 80.391,101.342 80.391,102.87 79.316,103.945 U3.4
NetC13_2: C13.2 U3.5 | length 3.7
  Top Layer w0.2: U3.5 78.613,105.788 78.613,103.759 79.22,103.152 C13.2
NetC14_1: C14.1 R13.1 U3.11 U3.14 | length 9.9
  Top Layer w0.2: C14.1 71.789,102.296 R13.1 72.316,102.193 72.316,103.992 ; U3.14 72.316,103.992 ; U3.11 74.416,104.261 74.147,103.992 72.316,103.992
NetC15_1: C15.1 U3.2 | length 6.7
  Top Layer w0.2: U3.2 80.716,104.74 82.563,102.893 82.563,101.2 81.759,100.396 C15.1
NetC15_2: C15.2 U3.3 | length 4.5
  Top Layer w0.2: U3.3 80.01,105.785 80.01,104.267 81.645,102.632 81.309,102.296 C15.2
NetC28_2: C28.2 C30.2 U4.28 | length 5.4
  Top Layer w0.2: U4.28 79.898,77.196 C28.2 C30.2
NetC31_1: C31.1 U4.27 | length 3.8
  Top Layer w0.2: C31.1 77.681,77.282 79.198,75.765 U4.27
NetC32_1: C32.1 U4.4 | length 8.7
  Top Layer w0.2: v1(62.865,72.517) 63.098,72.75 U4.4
  Bottom Layer w0.2: v1(62.865,72.517) 63.317,72.969 v1(63.317,79.182)
NetC32_2: C32.2 U4.5 | length 3.3
  Top Layer w0.2: C32.2 63.448,77.282 63.798,76.932 U4.5
NetC33_1: C33.1 R20.1 U4.11 U4.14 | length 9.1
  Top Layer w0.2: U4.11 67.998,75.491 68.453,75.946 70.098,75.946 ; U4.14 70.098,75.946 ; C33.1 72.682,77.343 R20.1 70.098,77.228 70.098,75.946
NetC34_1: C34.1 U4.2 | length 6.7
  Top Layer w0.2: v1(59.944,75.946) 61.087,75.946 61.66,75.373 61.66,74.333 U4.2
  Bottom Layer w0.2: v1(59.944,75.946) 60.96,76.962 v1(60.96,79.182)
NetC34_2: C34.2 U4.3 | length 3.7
  Top Layer w0.2: C34.2 61.185,77.282 61.535,76.932 61.535,76.491 62.398,75.628 U4.3
NetD1_K: D1.K R4.1 | length 2.8
  Bottom Layer w0.5: R4.1 v1(44.45,116.391)
NetD2_K: D2.K R7.2 | length 2.8
  Bottom Layer w0.5: R7.2 v1(41.148,116.391)
NetD3_2: D3.2 D6.4 | length 6.5
  Bottom Layer w0.5: v1(143.985,110.872) 147.161,107.696 149.161,107.696 v1(149.185,107.72)
NetD3_4: D3.4 R19.1 | length 3.6
  Bottom Layer w0.5: R19.1 147.319,116.792 149.159,114.952 149.159,114.198 v1(149.185,114.172)
NetD4_2: D4.2 D7.4 | length 6.5
  Bottom Layer w0.5: v1(143.985,97.969) 147.137,94.817 v1(149.185,94.817)
NetD5_2: D5.2 D8.4 | length 6.5
  Bottom Layer w0.5: v1(143.985,85.066) 147.137,81.914 v1(149.185,81.914)
NetD9_2: D9.2 D12.4 | length 6.5
  Bottom Layer w0.5: v1(143.985,72.162) 147.137,69.011 v1(149.185,69.011)
NetD10_2: D10.2 D13.4 | length 6.5
  Bottom Layer w0.5: v1(143.985,59.259) 147.137,56.108 v1(149.185,56.108)
NetR1_2: R1.2 U1.13 | length 4.5
  Bottom Layer w0.2: R1.2 92.25,100.33 93.393,101.473 94.433,101.473 95.155,100.751 U1.13
NetR4_2: R4.2 U1.11 | length 55.2
  Top Layer w0.2: v1(79.756,108.458) 82.55,108.458 90.551,100.457 v1(93.599,100.457)
  Bottom Layer w0.2: R4.2 44.474,112.014 67.183,112.014 70.739,108.458 v1(79.756,108.458) ; v1(93.599,100.457) 93.795,100.261 U1.11
NetR7_1: R7.1 U1.22 | length 69.5
  Top Layer w0.2: v1(81.534,107.696) 89.789,99.441 100.584,99.441 v1(101.854,100.711)
  Bottom Layer w0.2: R7.1 41.323,111.99 42.823,110.49 66.167,110.49 69.723,106.934 80.772,106.934 v1(81.534,107.696) ; U1.22 101.277,100.134 v1(101.854,100.711)
NetR8_1: R8.1 U1.33 | length 2.3
  Bottom Layer w0.2: U1.33 100.515,93.619 101.552,92.582 R8.1
NetR10_2: FLASH.2 U2.12 | length 24.3
  Top Layer w0.2: v1(36.83,50.165) 40.881,54.216 v1(55.879,54.216)
  Bottom Layer w0.2: FLASH.2 34.671,48.006 v1(36.83,50.165)
NetR11_2: RESET.2 U2.1 | length 3
  Bottom Layer w0.2: RESET.2 U2.1
NetR12_2: R12.2 U2.10 | length 3
  Bottom Layer w0.5: U2.10 55.981,58.318 58.699,58.318 R12.2
NetR16_1: R16.1 U3.26 | length 6.1
  Top Layer w0.2: U3.26 63.916,104.359 64.389,103.886 66.04,103.886 67.475,102.451 R16.1
NetR21_1: R21.1 U4.26 | length 5.4
  Top Layer w0.2: R21.1 75.101,77.217 76.245,76.073 77.851,76.073 78.46,75.464 78.46,74.333 U4.26
RXD: U1.20 U2.16 | length 97.5
  Bottom Layer w0.2: U2.16 59.297,46.216 62.992,49.911 78.74,49.911 108.458,79.629 108.458,97.536 103.759,102.235 99.89,102.235 98.671,101.016 98.671,100.15 U1.20
SCL: U1.18 U2.14 U3.18 U4.18 | length 109.9
  Top Layer w0.2: v1(69.596,103.886) 69.516,103.966 U3.18 69.516,108.632 70.231,109.347 83.185,109.347 90.678,101.854 v1(97.917,101.854) ; U4.18 72.898,72.263 74.549,70.612 v1(75.438,70.612)
  Bottom Layer w0.2: U2.14 57.074,50.216 65.659,58.801 65.659,62.23 69.596,66.167 70.993,66.167 v1(75.438,70.612) 76.073,71.247 76.073,76.327 69.596,82.804 v1(69.596,103.886) ; U1.18 97.655,101.592 v1(97.917,101.854)
SDA: U1.19 U2.13 U3.19 U3.20 U4.19 U4.20 | length 110.6
  Top Layer w0.2: v1(68.199,103.886) 68.116,103.969 U3.20 U3.19 68.816,108.948 69.85,109.982 83.693,109.982 91.095,102.58 99.024,102.58 v1(99.06,102.616) ; U4.19 U4.20 74.298,72.387 74.803,71.882 v1(75.311,71.882)
  Bottom Layer w0.2: U2.13 55.898,52.197 57.277,52.197 64.77,59.69 64.77,62.738 69.088,67.056 70.485,67.056 v1(75.311,71.882) 75.311,75.819 68.199,82.931 v1(68.199,103.886) ; U1.19 98.155,101.142 99.06,102.047 v1(99.06,102.616)
TXD: U1.21 U2.15 | length 93.3
  Bottom Layer w0.2: U2.15 55.962,48.133 59.69,48.133 62.484,50.927 78.359,50.927 107.696,80.264 107.696,97.155 103.378,101.473 99.877,101.473 99.171,100.767 99.171,100.15 U1.21
XTAL1: C4.2 U1.17 Y1.1 | length 13
  Top Layer w0.2: v1(95.631,103.251) v1(97.79,103.251)
  Bottom Layer w0.2: Y1.1 92.815,107.068 94.65,105.233 94.65,104.232 v1(95.631,103.251) ; U1.17 97.155,102.489 97.79,103.124 v1(97.79,103.251)
  Bottom Layer w0.5: C4.2 90.524,106.968 92.615,106.968 Y1.1
XTAL2: C5.2 U1.16 Y1.3 | length 7.1
  Bottom Layer w0.2: Y1.3 96.655,104.628 U1.16
  Bottom Layer w0.5: Y1.3 96.615,104.868 98.706,104.868 C5.2
pads on no net: D11.2 E1.6 E1.7 IC1.4 J1. J1.A8 J1.B4_A9 J1.B8 J2. J2.BR1 J2.BR2 J3. J3.BR1 J3.BR2 J5. J5.BR1 J5.BR2 J6. J6.BR1 J6.BR2 R14.B R14.E R14.L R15.B R15.E R15.L U1.1 U1.8 U1.9 U1.10 U1.12 U2.2 U2.4 U2.5 U2.6 U2.7 U2.11 Y1.2 Y1.4
copper on no net: | length 191.3
  Top Layer w0.254: 29.337,123.698 29.337,124.206 ; 30.862,123.446 29.337,123.952 ; 30.86,124.462 29.337,123.952 ; 84.496,124.007 29.337,123.952 ; 101.813,124.024 156.972,124.079 ; 155.449,123.569 156.972,124.079 ; 155.447,124.585 156.972,124.079 ; 156.972,123.825 156.972,124.333 ; 159.26,41.022 159.766,39.497 ; 159.383,119.635 159.893,121.158 ; 159.512,39.497 160.02,39.497 ; 159.639,121.158 160.147,121.158 ; 159.817,72.557 159.766,39.497 ; 159.842,88.098 159.893,121.158 ; 160.276,41.02 159.766,39.497 ; 160.399,119.633 159.893,121.158

## Polygon pours and split planes (outlines as drawn)
GND on Top Layer "Top Layer-No Net" (solid, pour order 0): 29.337,44.069 29.337,116.078 cw(c34.099,116.141) 34.036,120.904 152.273,120.904 cw(c152.337,116.141) 157.099,116.205 157.099,44.323 157.099,44.196 cw(c152.337,44.133) 152.4,39.37 34.163,39.37 cw(c34.099,44.133)
GND on Bottom Layer "Top Layer-No Net1" (solid, pour order 1): 29.337,44.069 29.337,116.078 cw(c34.099,116.141) 34.036,120.904 152.273,120.904 cw(c152.337,116.141) 157.099,116.205 157.099,44.323 157.099,44.196 cw(c152.337,44.133) 152.4,39.37 34.163,39.37 cw(c34.099,44.133)

## Other copper
Top Layer:
  text "127.635 (mm)" at 84.751,123.093 h1.52 r0.06
  text "81.661 (mm)" at 160.732,72.81 h1.52 r89.91

## Silkscreen, mask and mechanical layers (free items; w line width, h text height)
Top Overlay:
  drawing of 3198 lines, arcs and shapes, not listed
  text "HIGH / ENOUGH" at 152.781,112.268 h1
  text "100 %" at 152.908,105.816 h1.2
  text "90 %" at 152.908,99.365 h1.2
  text "80 %" at 152.908,92.913 h1.2
  text "70 %" at 152.908,86.462 h1.2
  text "60 %" at 152.908,80.01 h1.2
  text "*" at 38.1,74.295 h1.5 r15.78
  text "50 %" at 152.908,73.558 h1.2
  text "CL1CK" at 40.005,73.152 h1.5 r15.78
  text "40 %" at 152.908,67.107 h1.2
  text "30 %" at 152.908,60.655 h1.2
  text "20 %" at 152.908,54.204 h1.2
  text "10 %" at 152.908,47.752 h1.2
  text "x CiferTech x" at 64.389,40.64 h1
Bottom Overlay:
  drawing of 668 lines, arcs and shapes, not listed
Mechanical 1:
  circle w0.208: c32.953,43.011 r1.5
  circle w0.208: c153.459,42.986 r1.5
  circle w0.208: c153.483,117.263 r1.5
  circle w0.208: c32.978,117.288 r1.5
  pour cut-out: 35.814,94.744 35.814,102.491 35.815,102.491 cw(c42.291,102.616) 48.768,102.616 48.768,94.869 cw(c42.292,94.744)
  lines w0.508: 35.814,94.744 35.814,102.491 ; 35.815,94.744 ccw(c42.292,94.744) 48.768,94.869 48.768,102.616 ccw(c42.291,102.616) 35.815,102.491 ; 157.099,44.196 cw(c152.337,44.133) 152.4,39.37 34.163,39.37 cw(c34.099,44.133) 29.337,44.069 29.337,116.078 cw(c34.099,116.141) 34.036,120.904 152.273,120.904 cw(c152.337,116.141) 157.099,116.205 157.099,44.323

## Text inside footprints (layer, text, board x,y; h text height)
J1: Mechanical 13 "PCB EDGE" at 88.381,120.061 h0.61 r180
U3: Top Overlay "1" at 81.661,108.077 h0.8 r180; Top Overlay "30" at 61.595,108.204 h0.8 r180
U4: Top Overlay "1" at 60.833,71.882 h0.8; Top Overlay "30" at 80.645,71.882 h0.8